# Altium PCB HSBNE-MOTOR.PcbDoc (part 2 of 3) (continued)
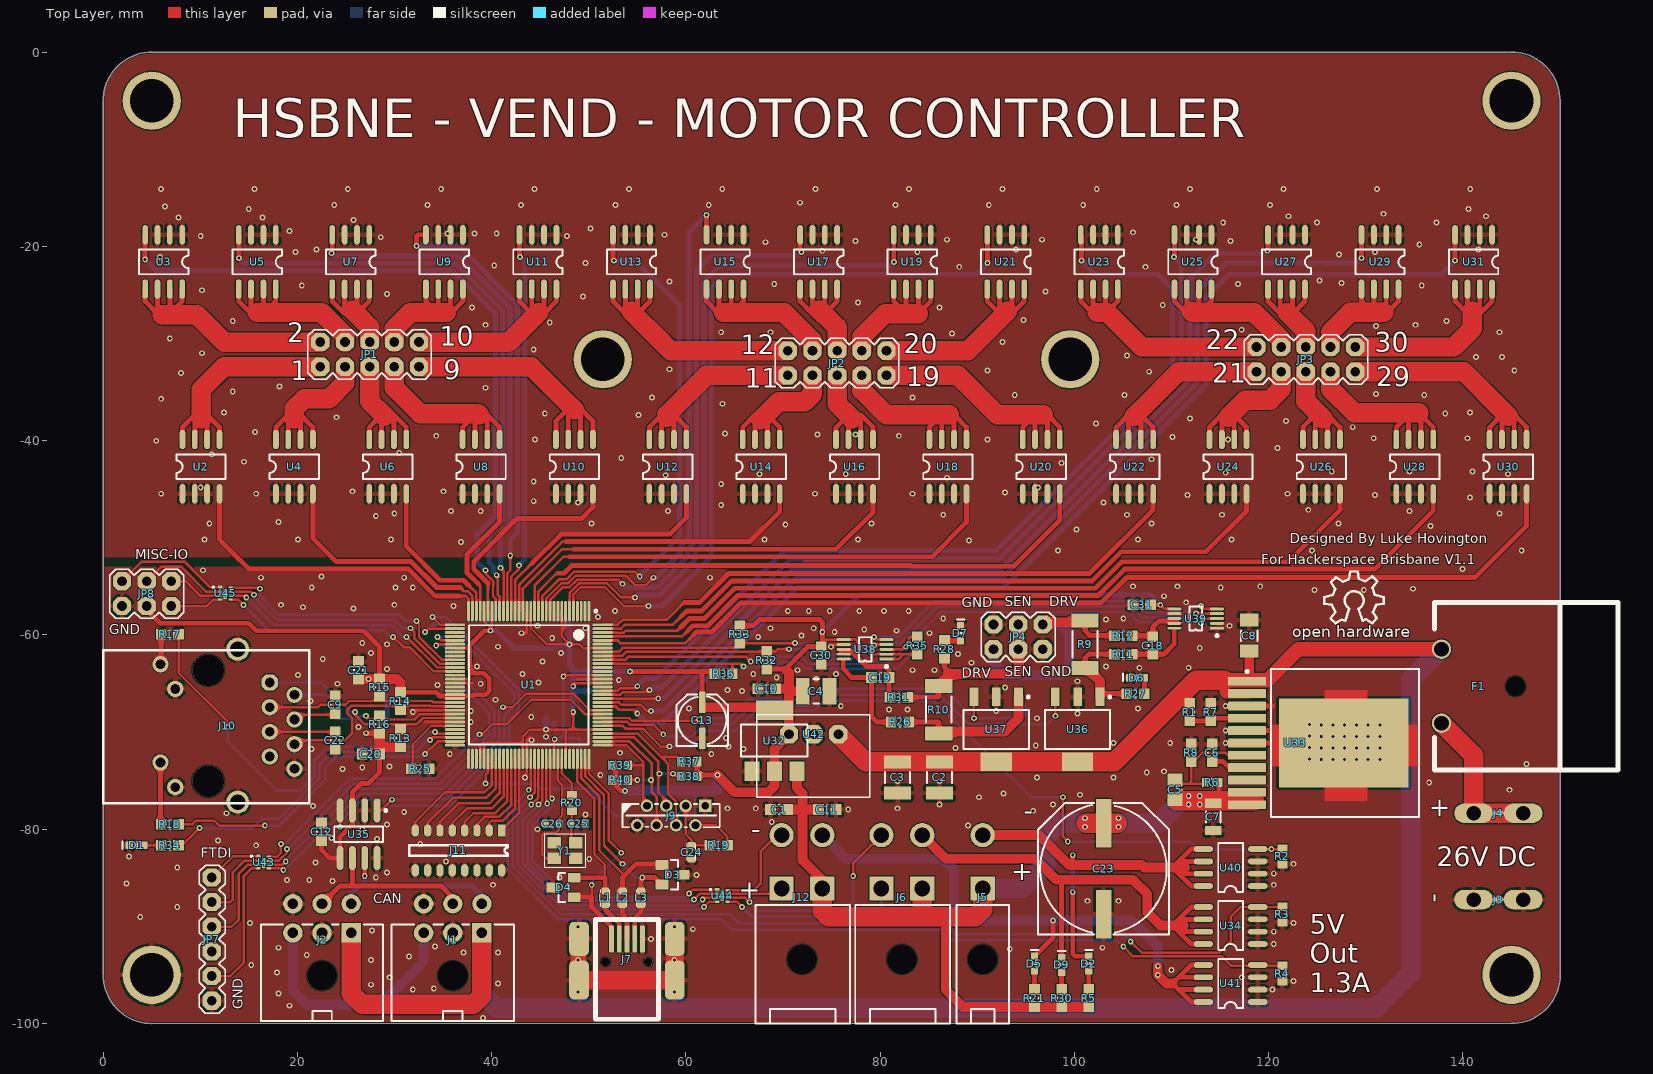
[diagram p0: Top Layer view]
## Nets (pads, with @x,y where several pads share a name; then routed paths per layer and width w, separated by ;. In a path a pad name is that pad's centre, name@x,y a point inside that pad or via, vN(x,y) a via of type N, cw(c..) or ccw(c..) an arc to the next point about the centre after c; other vN are vias at no path point) (continued)
  Bottom Layer w0.5: v1(54.991,-68.072) 55.88,-68.961 57.658,-68.961 71.501,-55.118 92.71,-55.118 113.538,-34.29 113.538,-25.273 115.951,-22.86 124.938,-22.86 124.953,-22.845 125.491,-22.845 125.506,-22.86 137.795,-22.86 v1(139.192,-21.463)
MO1: JP1.1 U2.5 U2.6 U2.7 U2.8 | length 29.3
  Top Layer w0.5: U2.8@8.161,-39.878 8.161,-38.614 9.431,-37.344 ; U2.7@9.431,-39.878 9.431,-37.344 ; U2.6@10.701,-39.878 10.701,-37.332 ; U2.5@11.971,-39.878 11.971,-38.602 10.701,-37.332 ; 9.431,-37.344 10.072,-36.703 10.701,-37.332
  Top Layer w2: 10.16,-37.719 10.072,-37.631 10.072,-36.703 10.072,-34.759 12.446,-32.385 JP1.1@22.352,-32.385
MO2: JP1.2 U3.5 U3.6 U3.7 U3.8 | length 29.3
  Top Layer w0.5: U3.5@4.318,-24.384 4.318,-25.66 5.588,-26.93 ; U3.6@5.588,-24.384 5.588,-26.93 ; 5.903,-27.244 5.588,-26.93 ; 6.725,-27.051 6.858,-26.918 ; U3.7@6.858,-24.384 6.858,-26.918 ; U3.8@8.128,-24.384 8.128,-25.648 6.858,-26.918
  Top Layer w2: 6.096,-27.051 6.725,-27.051 9.652,-27.051 12.446,-29.845 JP1.2@22.352,-29.845
MO3: JP1.3 U4.5 U4.6 U4.7 U4.8 | length 22
  Top Layer w0.5: U4.8@17.774,-39.878 17.774,-38.614 19.044,-37.344 ; U4.7@19.044,-39.878 19.044,-37.344 ; U4.6@20.314,-39.878 20.314,-37.332 ; U4.5@21.584,-39.878 21.584,-38.602 20.314,-37.332 ; 19.044,-37.344 19.685,-36.703 20.314,-37.332
  Top Layer w2: 19.685,-37.719 19.685,-36.703 20.701,-35.687 23.241,-35.687 24.892,-34.036 JP1.3@24.892,-32.385
MO4: JP1.4 U5.5 U5.6 U5.7 U5.8 | length 21.4
  Top Layer w0.5: U5.5@13.952,-24.384 13.952,-25.66 15.222,-26.93 ; 15.222,-26.797 U5.6@15.222,-24.384 ; 16.492,-26.797 U5.7@16.492,-24.384 ; 16.613,-26.797 17.762,-25.648 U5.8@17.762,-24.384
  Top Layer w2: 15.875,-26.797 16.492,-26.797 16.613,-26.797 22.479,-26.797 24.892,-29.21 JP1.4@24.892,-29.845
MO5: JP1.5 U6.5 U6.6 U6.7 U6.8 | length 18.7
  Top Layer w0.5: U6.8@27.388,-39.878 27.388,-38.614 28.658,-37.344 ; U6.7@28.658,-39.878 28.658,-37.344 ; U6.6@29.928,-39.878 29.928,-37.332 ; U6.5@31.198,-39.878 31.198,-38.602 29.928,-37.332 ; 28.658,-37.344 28.746,-37.255 29.298,-36.703 29.928,-37.332
  Top Layer w2: JP1.5@27.432,-32.385 27.432,-35.941 28.746,-37.255 28.956,-37.465
MO6: JP1.6 U7.5 U7.6 U7.7 U7.8 | length 14.9
  Top Layer w0.5: U7.5@23.586,-24.384 23.586,-25.66 24.856,-26.93 ; 24.856,-26.543 U7.6@24.856,-24.384 ; 26.078,-26.967 26.126,-26.918 ; U7.7@26.126,-24.384 26.126,-26.918 ; U7.8@27.396,-24.384 27.396,-25.648 26.126,-26.918
  Top Layer w2: 25.654,-26.543 26.078,-26.967 27.432,-28.321 JP1.6@27.432,-29.845
MO7: JP1.7 U8.5 U8.6 U8.7 U8.8 | length 25.1
  Top Layer w0.5: U8.8@37.001,-39.878 37.001,-38.614 38.271,-37.344 ; U8.7@38.271,-39.878 38.271,-37.344 ; U8.6@39.541,-39.878 39.541,-37.332 ; U8.5@40.811,-39.878 40.811,-38.602 39.541,-37.332 ; 38.271,-37.344 38.404,-37.211 38.912,-36.703 39.541,-37.332
  Top Layer w2: JP1.7@29.972,-32.385 29.972,-34.544 32.639,-37.211 38.404,-37.211 38.608,-37.211 38.735,-37.338
MO8: JP1.8 U9.5 U9.6 U9.7 U9.8 | length 18.5
  Top Layer w0.5: U9.5@33.22,-24.384 33.22,-25.66 34.357,-26.797 ; 34.49,-26.797 U9.6@34.49,-24.384 ; 35.593,-27.084 35.76,-26.918 ; U9.7@35.76,-24.384 35.76,-26.918 ; U9.8@37.03,-24.384 37.03,-25.648 35.76,-26.918
  Top Layer w2: JP1.8@29.972,-29.845 29.972,-28.448 31.623,-26.797 34.357,-26.797 34.49,-26.797 35.306,-26.797
MO9: JP1.9 U10.5 U10.6 U10.7 U10.8 | length 30.9
  Top Layer w0.5: U10.8@46.609,-39.243 46.609,-37.979 47.879,-36.709 ; U10.7@47.879,-39.243 47.879,-36.709 ; U10.6@49.149,-39.243 49.149,-36.697 ; U10.5@50.419,-39.243 50.419,-37.967 49.149,-36.697 ; 47.879,-36.709 48.136,-36.452 48.52,-36.068 49.149,-36.697
  Top Layer w2: JP1.9@32.512,-32.385 44.069,-32.385 48.136,-36.452 48.514,-36.83
MO10: JP1.10 U11.5 U11.6 U11.7 U11.8 | length 25.5
  Top Layer w0.5: U11.5@42.853,-24.384 42.853,-25.66 44.123,-26.93 ; U11.6@44.123,-24.384 44.123,-26.93 ; 44.411,-27.217 44.123,-26.93 ; 45.173,-27.139 45.393,-26.918 ; U11.7@45.393,-24.384 45.393,-26.918 ; U11.8@46.663,-24.384 46.663,-25.648 45.393,-26.918
  Top Layer w2: JP1.10@32.512,-29.845 41.783,-29.845 44.411,-27.217 44.831,-26.797
MO11: JP2.1 U12.5 U12.6 U12.7 U12.8 | length 27.4
  Top Layer w0.5: U12.8@56.228,-39.878 56.228,-38.614 57.498,-37.344 ; U12.7@57.498,-39.878 57.498,-37.344 ; U12.6@58.768,-39.878 58.768,-37.332 ; U12.5@60.038,-39.878 60.038,-38.602 58.768,-37.332 ; 57.498,-37.344 58.138,-36.703 58.406,-36.971 58.768,-37.332
  Top Layer w2: 58.039,-37.592 58.039,-37.338 58.406,-36.971 62.103,-33.274 JP2.1@70.485,-33.274
MO12: JP2.2 U13.5 U13.6 U13.7 U13.8 | length 30.8
  Top Layer w0.5: U13.5@52.487,-24.384 52.487,-25.66 53.757,-26.93 ; U13.6@53.757,-24.384 53.757,-26.93 ; U13.7@55.027,-24.384 55.027,-26.918 ; U13.8@56.297,-24.384 56.297,-25.648 55.027,-26.918 ; 53.757,-26.93 54.387,-27.559 55.027,-26.918
  Top Layer w2: 54.356,-26.67 54.816,-27.13 56.896,-29.21 58.42,-30.734 JP2.2@70.485,-30.734
MO13: JP2.3 U14.5 U14.6 U14.7 U14.8 | length 19.2
  Top Layer w0.5: U14.8@65.841,-39.878 65.841,-38.614 67.111,-37.344 ; U14.7@67.111,-39.878 67.111,-37.846 ; 68.293,-37.244 68.381,-37.332 ; U14.6@68.381,-39.878 68.381,-37.332 ; U14.5@69.651,-39.878 69.651,-38.602 68.381,-37.332
  Top Layer w2: 67.691,-37.846 68.293,-37.244 69.532,-36.005 72.2,-36.005 73.025,-35.179 JP2.3@73.025,-33.274
MO14: JP2.4 U15.5 U15.6 U15.7 U15.8 | length 22.5
  Top Layer w0.5: U15.5@62.121,-24.384 62.121,-25.66 63.391,-26.93 ; U15.6@63.391,-24.384 63.391,-26.93 ; 63.57,-27.108 63.391,-26.93 ; 64.661,-26.797 U15.7@64.661,-24.384 ; 64.782,-26.797 65.931,-25.648 U15.8@65.931,-24.384
  Top Layer w2: 63.881,-26.797 64.661,-26.797 64.782,-26.797 70.104,-26.797 73.025,-29.718 JP2.4@73.025,-30.734
MO15: JP2.5 U16.5 U16.6 U16.7 U16.8 | length 15.9
  Top Layer w0.5: U16.8@75.454,-39.878 75.454,-38.614 76.719,-37.349 ; U16.7@76.724,-39.878 76.724,-37.354 ; U16.6@77.994,-39.878 77.994,-37.719 ; 77.994,-37.332 79.264,-38.602 U16.5@79.264,-39.878
  Top Layer w2: JP2.5@75.565,-33.274 75.565,-36.195 76.719,-37.349 76.724,-37.354 77.089,-37.719
  other v1: 77.47,-39.37
MO16: JP2.6 U17.5 U17.6 U17.7 U17.8 | length 17.3
  Top Layer w0.5: U17.5@71.755,-24.384 71.755,-25.66 73.025,-26.93 ; 73.025,-26.543 U17.6@73.025,-24.384 ; 73.213,-27.117 73.654,-27.559 74.295,-26.918 ; U17.7@74.295,-24.384 74.295,-26.918 ; U17.8@75.565,-24.384 75.565,-25.648 74.295,-26.918
  Top Layer w2: 73.787,-26.543 74.229,-26.985 75.565,-28.321 JP2.6@75.565,-30.734
MO17: JP2.7 U18.5 U18.6 U18.7 U18.8 | length 23.2
  Top Layer w0.5: U18.8@85.068,-39.878 85.068,-38.614 86.338,-37.344 ; U18.7@86.338,-39.878 86.338,-37.344 ; 86.343,-37.338 86.338,-37.344 ; 87.368,-37.092 87.608,-37.332 ; U18.6@87.608,-39.878 87.608,-37.332 ; U18.5@88.878,-39.878 88.878,-38.602 87.608,-37.332
  Top Layer w2: JP2.7@78.105,-33.274 78.105,-34.798 80.645,-37.338 86.343,-37.338 87.122,-37.338
MO18: JP2.8 U19.5 U19.6 U19.7 U19.8 | length 19.4
  Top Layer w0.5: U19.5@81.389,-24.384 81.389,-25.66 82.648,-26.918 ; 82.659,-26.918 U19.6@82.659,-24.384 ; U19.7@83.929,-24.384 83.929,-26.918 85.199,-25.648 U19.8@85.199,-24.384
  Top Layer w2: JP2.8@78.105,-30.734 78.105,-29.337 80.524,-26.918 82.648,-26.918 82.659,-26.918 83.929,-26.918
MO19: JP2.9 U20.5 U20.6 U20.7 U20.8 | length 29.3
  Top Layer w0.5: U20.8@94.681,-39.878 94.681,-38.614 95.951,-37.344 ; U20.7@95.951,-39.878 95.951,-37.344 ; 95.957,-37.338 95.951,-37.344 ; 97,-37.112 97.221,-37.332 ; U20.6@97.221,-39.878 97.221,-37.332 ; U20.5@98.491,-39.878 98.491,-38.602 97.221,-37.332
  Top Layer w2: JP2.9@80.645,-33.274 88.011,-33.274 92.075,-37.338 95.957,-37.338 96.774,-37.338
MO20: JP2.10 U21.5 U21.6 U21.7 U21.8 | length 27.1
  Top Layer w0.5: U21.5@91.023,-24.384 91.023,-25.66 92.293,-26.93 ; U21.6@92.293,-24.384 92.293,-26.93 ; U21.7@93.563,-24.384 93.563,-26.918 ; U21.8@94.833,-24.384 94.833,-25.648 93.563,-26.918 ; 92.293,-26.93 92.562,-27.199 92.922,-27.559 93.563,-26.918
  Top Layer w2: JP2.10@80.645,-30.734 89.027,-30.734 93.091,-26.67
MO21: JP3.1 U22.5 U22.6 U22.7 U22.8 | length 26.4
  Top Layer w0.5: U22.8@104.295,-39.878 104.295,-38.614 105.565,-37.344 ; U22.7@105.565,-39.878 105.565,-37.344 ; 105.808,-37.101 105.565,-37.344 ; 106.57,-37.067 106.835,-37.332 ; U22.6@106.835,-39.878 106.835,-37.332 ; U22.5@108.105,-39.878 108.105,-38.602 106.835,-37.332
  Top Layer w2: 106.172,-37.465 106.57,-37.067 110.744,-32.893 JP3.1@118.745,-32.893
MO22: JP3.2 U23.5 U23.6 U23.7 U23.8 | length 29
  Top Layer w0.5: U23.5@100.657,-24.384 100.657,-25.66 101.927,-26.93 ; U23.6@101.927,-24.384 101.927,-26.93 ; 102.078,-27.081 101.927,-26.93 ; 103.197,-26.797 U23.7@103.197,-24.384 ; 103.318,-26.797 104.467,-25.648 U23.8@104.467,-24.384
  Top Layer w2: 102.362,-26.797 103.197,-26.797 103.318,-26.797 103.378,-26.797 106.934,-30.353 JP3.2@118.745,-30.353
MO23: JP3.3 U24.5 U24.6 U24.7 U24.8 | length 19.7
  Top Layer w0.5: U24.8@113.908,-39.878 113.908,-38.614 115.178,-37.344 ; U24.7@115.178,-39.878 115.178,-37.592 ; 116.266,-37.15 116.448,-37.332 ; U24.6@116.448,-39.878 116.448,-37.332 ; U24.5@117.718,-39.878 117.718,-38.602 116.448,-37.332
  Top Layer w2: 115.824,-37.592 116.266,-37.15 117.602,-35.814 120.142,-35.814 121.285,-34.671 JP3.3@121.285,-32.893
MO24: JP3.4 U25.5 U25.6 U25.7 U25.8 | length 24
  Top Layer w0.5: U25.5@110.29,-24.384 110.29,-25.66 111.56,-26.93 ; U25.6@111.56,-24.384 111.56,-26.93 ; 112.83,-26.797 112.83,-26.918 112.19,-27.559 111.56,-26.93 ; 112.83,-26.67 U25.7@112.83,-24.384 ; 112.952,-26.797 114.1,-25.648 U25.8@114.1,-24.384
  Top Layer w2: 112.014,-26.67 112.141,-26.797 112.83,-26.797 112.952,-26.797 118.491,-26.797 121.285,-29.591 JP3.4@121.285,-30.353
MO25: JP3.5 U26.5 U26.6 U26.7 U26.8 | length 16.4
  Top Layer w0.5: U26.8@123.521,-39.878 123.521,-38.614 124.791,-37.344 U26.7@124.791,-39.878 ; U26.6@126.061,-39.878 126.061,-37.719 ; 126.061,-37.332 127.331,-38.602 U26.5@127.331,-39.878
  Top Layer w2: JP3.5@123.825,-32.893 123.825,-35.941 125.603,-37.719
MO26: JP3.6 U27.5 U27.6 U27.7 U27.8 | length 15.7
  Top Layer w0.5: U27.5@119.924,-24.384 119.924,-25.66 121.194,-26.93 ; 121.194,-26.797 U27.6@121.194,-24.384 ; 122.253,-27.13 122.464,-26.918 ; U27.7@122.464,-24.384 122.464,-26.918 ; U27.8@123.734,-24.384 123.734,-25.648 122.464,-26.918
  Top Layer w2: 121.92,-26.797 122.253,-27.13 123.825,-28.702 JP3.6@123.825,-30.353
MO27: JP3.7 U28.5 U28.6 U28.7 U28.8 | length 23.7
  Top Layer w0.5: U28.8@133.135,-39.878 133.135,-38.614 134.405,-37.344 ; U28.7@134.405,-39.878 134.405,-37.344 ; 134.623,-37.125 134.405,-37.344 ; 135.468,-37.125 135.675,-37.332 ; U28.6@135.675,-39.878 135.675,-37.332 ; U28.5@136.945,-39.878 136.945,-38.602 135.675,-37.332
  Top Layer w2: JP3.7@126.365,-32.893 126.365,-34.671 128.819,-37.125 134.623,-37.125 135.468,-37.125
MO28: JP3.8 U29.5 U29.6 U29.7 U29.8 | length 19.9
  Top Layer w0.5: U29.5@129.558,-24.384 129.558,-25.66 130.692,-26.794 ; 130.828,-26.794 U29.6@130.828,-24.384 ; 131.261,-27.362 131.457,-27.559 132.098,-26.918 ; U29.7@132.098,-24.384 132.098,-26.918 ; U29.8@133.368,-24.384 133.368,-25.648 132.098,-26.918
  Top Layer w2: JP3.8@126.365,-30.353 126.365,-28.829 128.4,-26.794 130.692,-26.794 130.828,-26.794 131.644,-26.794 131.647,-26.797 131.826,-26.797
MO29: JP3.9 U30.5 U30.6 U30.7 U30.8 | length 29.1
  Top Layer w0.5: U30.8@142.748,-39.878 142.748,-38.614 144.018,-37.344 ; U30.7@144.018,-39.878 144.018,-37.344 ; 144.275,-37.087 144.018,-37.344 ; U30.6@145.288,-39.878 145.288,-37.465 ; 145.288,-37.332 146.558,-38.602 U30.5@146.558,-39.878
  Top Layer w2: JP3.9@128.905,-32.893 140.081,-32.893 144.275,-37.087 144.653,-37.465
MO30: JP3.10 U31.5 U31.6 U31.7 U31.8 | length 25.6
  Top Layer w0.5: U31.5@139.192,-24.384 139.192,-25.66 140.462,-26.93 U31.6@140.462,-24.384 ; 141.732,-26.918 143.002,-25.648 U31.8@143.002,-24.384 ; 141.732,-26.67 U31.7@141.732,-24.384
  Top Layer w2: JP3.10@128.905,-30.353 139.065,-30.353 140.97,-28.448 140.97,-26.67
NetC5_1: C5.1 R6.2 R8.2 U33.7 | length 11.4
  Top Layer w0.254: C5.1@110.363,-75.327 R6.2@113.13,-75.327 ; 112.014,-75.327 R8.2@112.014,-73.036 112.257,-73.036 113.157,-72.136 115.57,-72.136 115.824,-72.39 U33.7@117.876,-72.39
NetC6_2: C6.2 U33.8 | length 4
  Top Layer w0.5: C6.2@114.173,-73.036 115.327,-73.036 115.951,-73.66 U33.8@117.876,-73.66
NetC9_1: C9.1 J10.4 | length 4.4
  Top Layer w0.254: J10.4@19.685,-68.707 20.193,-68.199 23.76,-68.199 C9.1@23.876,-68.083
NetC22_1: C22.1 J10.5 | length 6.7
  Top Layer w0.254: J10.5@17.145,-69.977 23.865,-69.977 C22.1@23.876,-69.966
NetC25_2: C25.2 R20.2 Y1.1 | length 3.6
  Top Layer w0.254: R20.2@48.26,-77.992 48.26,-79.386 C25.2@48.195,-79.451 48.195,-80.961 Y1.1@48.641,-81.407
NetC26_2: C26.2 U1.88 Y1.3 | length 13
  Top Layer w0.254: Y1.3@46.441,-83.007 45.593,-83.007 45.212,-82.626 45.212,-80.594 45.466,-80.34 46.609,-80.34 46.928,-80.021 C26.2@46.928,-79.451 46.928,-78.929 47.244,-78.613 47.244,-75.438 46.815,-75.009 U1.88@46.815,-72.751
NetD1_1: D1.1 R34.1 | length 2
  Top Layer w0.254: D1.1@4.191,-81.661 R34.1@6.212,-81.661
NetD2_1: D2.1 R5.1 | length 1.9
  Top Layer w0.5: R5.1@101.473,-96.498 D2.1@101.473,-94.604
NetD5_1: D5.1 R21.1 | length 1.9
  Top Layer w0.5: R21.1@95.885,-96.498 D5.1@95.885,-94.604
NetD6_1: D6.1 R27.1 | length 1.7
  Top Layer w0.5: D6.1@107.061,-64.389 107.199,-64.527 107.199,-65.394 R27.1@107.199,-66.04
NetD7_1: D7.1 R28.1 | length 1.6
  Top Layer w0.5: R28.1@86.625,-60.579 D7.1@88.265,-60.579
NetD9_1: D9.1 R30.1 | length 1.8
  Top Layer w0.5: R30.1@98.679,-96.498 D9.1@98.679,-94.731
NetJ7_2: J7.2 L1.2 | length 4.1
  Top Layer w0.5: L1.2@51.689,-87.76 51.689,-88.265 53.124,-89.7 J7.2@53.124,-91.313
NetJ7_3: J7.3 L2.2 | length 3.7
  Top Layer w0.5: L2.2@53.467,-87.76 53.467,-88.773 53.924,-89.23 J7.3@53.924,-91.313
NetJ7_4: J7.4 L3.2 | length 3.8
  Top Layer w0.5: J7.4@54.724,-91.313 54.724,-89.167 55.372,-88.519 L3.2@55.372,-87.76
NetJ11_1: J11.1 U1.78 | length 8.1
  Top Layer w0.254: J11.1@41.021,-80.137 42.815,-78.343 U1.78@42.815,-72.751
NetJ11_2: J11.2 U1.77 | length 9.2
  Top Layer w0.254: J11.2@39.751,-80.137 39.751,-79.375 40.005,-79.121 41.148,-79.121 42.415,-77.854 U1.77@42.415,-72.751
NetJ11_3: J11.3 U1.76 | length 9.7
  Top Layer w0.254: J11.3@38.481,-80.137 38.481,-79.502 39.243,-78.74 40.767,-78.74 42.015,-77.492 U1.76@42.015,-72.751
NetJ11_4: J11.4 U1.75 | length 10.5
  Top Layer w0.254: J11.4@37.211,-80.137 37.211,-79.248 38.1,-78.359 40.34,-78.359 41.615,-77.084 U1.75@41.615,-72.751
NetJ11_5: J11.5 U1.74 | length 11.1
  Top Layer w0.254: J11.5@35.941,-80.137 35.941,-79.375 37.465,-77.851 40.005,-77.851 41.215,-76.641 U1.74@41.215,-72.751
NetJ11_6: J11.6 U1.73 | length 11.8
  Top Layer w0.254: J11.6@34.671,-80.137 34.671,-79.248 36.576,-77.343 39.751,-77.343 40.815,-76.279 U1.73@40.815,-72.751
NetJ11_7: J11.7 U1.72 | length 12.3
  Top Layer w0.254: J11.7@33.401,-80.137 33.401,-79.375 35.994,-76.782 39.423,-76.782 40.415,-75.79 U1.72@40.415,-72.751
NetJ11_8: J11.8 U1.71 | length 13
  Top Layer w0.254: J11.8@32.131,-80.137 32.131,-79.248 35.179,-76.2 39.253,-76.2 40.015,-75.438 U1.71@40.015,-72.751
NetR1_1: R1.1 R7.2 U33.4 | length 6
  Top Layer w0.5: R1.1@111.887,-68.845 R7.2@114.046,-68.845 ; R7.2@114.046,-68.58 U33.4@117.876,-68.58
NetR20_1: R20.1 U1.89 | length 4.2
  Top Layer w0.254: U1.89@47.215,-72.751 47.215,-74.266 48.26,-75.311 R20.1@48.26,-76.492
NetR25_2: R25.2 U1.59 | length 7.7
  Top Layer w0.254: R25.2@31.866,-73.787 31.866,-71.258 33.773,-69.351 U1.59@36.215,-69.351
PWR_OUT: R9.1 R11.1 R27.2 U36.1 | length 10.4
  Top Layer w0.5: R9.1@101.292,-63.41 R9.1@101.092,-63.41 101.092,-62.357 101.473,-61.976 R11.1@104.129,-61.976 ; U36.1@102.963,-66.04 R27.2@105.399,-66.04
  Top Layer w1: R9.1@101.292,-63.41 102.63,-64.748 U36.1@102.63,-66.373
R\S\T\: C24.2 J9.3 R19.1 U1.70 | length 31.3
  Top Layer w0.254: v1(39.37,-75.311) 39.37,-74.422 39.615,-74.177 U1.70@39.615,-72.751 ; J9.3@59.976,-77.597 59.976,-80.518 60.579,-81.121 C24.2@60.579,-81.658 60.582,-81.661 R19.1@62.473,-81.661
  Bottom Layer w0.254: v1(39.37,-75.311) 44.45,-75.311 44.958,-75.819 49.911,-75.819 52.705,-78.613 58.96,-78.613 J9.3@59.976,-77.597
RX_N: J10.6 R14.1 U1.54 | length 20.3
  Top Layer w0.254: J10.6@19.685,-71.247 20.066,-70.866 24.892,-70.866 25.654,-70.104 25.654,-68.58 25.146,-68.072 25.146,-67.691 25.527,-67.31 33.655,-67.31 33.696,-67.351 U1.54@36.215,-67.351
RX_P: J10.3 R15.1 U1.53 | length 19.4
  Top Layer w0.254: J10.3@17.145,-67.437 22.098,-67.437 22.352,-67.183 24.936,-67.183 25.317,-66.802 33.865,-66.802 34.014,-66.951 U1.53@36.215,-66.951
SEN_OUT: R10.1 R26.1 U37.1 | length 15.2
  Top Layer w0.5: R26.1@82.942,-68.961 85.979,-68.961 86.028,-69.01 86.028,-69.941 R10.1@86.028,-70.141
  Top Layer w1: R10.1@86.028,-69.941 92.873,-69.941 94.248,-68.566 U37.1@94.248,-66.373
SOL_EN: R2.2 U1.102 U40.4 | length 83
  Top Layer w0.254: U1.102@51.415,-69.351 53.476,-69.351 53.77,-69.645 55.548,-69.645 55.634,-69.731 ; 55.548,-69.649 56.384,-70.485 56.388,-70.485 57.404,-71.501 v1(58.293,-71.501) ; v1(98.806,-76.708) 98.806,-80.772 v1(99.314,-81.28) ; U40.4@118.872,-82.042 v1(120.269,-82.042) R2.2@121.374,-82.042
  Bottom Layer w0.254: v1(58.293,-71.501) 60.452,-71.501 62.103,-69.85 65.151,-69.85 67.183,-67.818 73.152,-67.818 74.187,-66.783 85.579,-66.783 95.504,-76.708 v1(98.806,-76.708) ; v1(99.314,-81.28) 111.887,-81.28 112.649,-82.042 v1(120.269,-82.042)
SOL_GND: D2.2 J5.2 U40.5 U40.6 U40.7 U40.8 | length 47.8
  Top Layer w0.5: v1(99.822,-86.487) 99.822,-92.837 100.065,-93.08 D2.2@101.473,-93.08 ; 99.822,-83.312 v1(99.822,-82.677) ; U40.8@113.284,-85.852 112.02,-85.852 110.75,-84.582 ; U40.7@113.284,-84.582 110.75,-84.582 ; U40.6@113.284,-83.312 110.738,-83.312 ; U40.5@113.284,-82.042 112.008,-82.042 110.738,-83.312 ; 110.738,-83.312 110.109,-83.941 110.115,-83.947 110.75,-84.582
  Top Layer w1: J5.2@90.551,-80.606 96.354,-80.606 99.441,-83.693 106.934,-83.693 107.188,-83.947 110.115,-83.947 111.379,-83.947
  Bottom Layer w0.5: v1(99.822,-86.487) v1(99.822,-82.677)
TCK: J9.4 R37.1 U1.100 | length 16.8
  Top Layer w0.254: U1.100@51.415,-70.151 54.676,-70.151 ; 54.676,-70.147 55.034,-70.147 57.658,-72.771 ; J9.4@58.976,-79.597 58.976,-77.137 58.166,-76.327 58.166,-73.279 57.658,-72.771 ; R37.1@59.398,-72.898 59.398,-72.733 59.182,-72.517 57.912,-72.517 57.658,-72.771
TDCLK: JP8.2 U45.4 | length 5.3
  Top Layer w0.254: JP8.2@7.015,-57.023 10.668,-57.023 11.338,-56.353 U45.4@12.048,-56.353
TDI: J9.6 R40.2 U1.98 | length 14.9
  Top Layer w0.254: U1.98@51.415,-70.951 54.187,-70.951 56.492,-73.256 56.492,-76.177 56.976,-76.661 J9.6@56.976,-79.597 ; R40.2@54.013,-74.93 v1(54.991,-74.93)
  Bottom Layer w0.254: v1(54.991,-74.93) v1(56.388,-74.93)
TDO: J9.7 R39.2 U1.97 | length 11.6
  Top Layer w0.254: U1.97@51.415,-71.351 53.698,-71.351 53.702,-71.355 ; 53.34,-71.355 53.702,-71.355 ; R39.2@54.013,-73.406 55.626,-73.406 ; J9.7@55.976,-77.597 55.626,-77.247 55.626,-73.406 ; 53.702,-71.355 53.877,-71.355 55.626,-73.104 55.626,-73.406
TDR0: JP8.1 U45.3 | length 5.6
  Top Layer w0.254: JP8.1@7.015,-54.483 8.513,-54.483 9.983,-55.953 U45.3@12.048,-55.953
TDR1: JP8.3 U45.2 | length 9.3
  Top Layer w0.254: JP8.3@4.475,-54.483 5.999,-52.959 8.001,-52.959 10.595,-55.553 U45.2@12.048,-55.553
TDR2: JP8.5 U45.1 | length 12.1
  Top Layer w0.254: JP8.5@1.935,-54.483 3.967,-52.451 8.382,-52.451 11.034,-55.103 U45.1@12.048,-55.103
TMS: J9.5 R38.1 U1.99 | length 14
  Top Layer w0.254: U1.99@51.415,-70.551 54.676,-70.551 57.15,-73.025 57.15,-76.2 57.976,-77.026 J9.5@57.976,-77.597 ; v1(58.674,-74.295) 58.928,-74.549 R38.1@59.525,-74.549
  Bottom Layer w0.254: v1(57.277,-74.295) v1(58.674,-74.295)
TRCLK: U1.45 U45.5 | length 26.2
  Top Layer w0.254: U45.5@13.098,-56.353 13.896,-56.353 v1(14.459,-56.915) ; v1(29.845,-60.197) 30.907,-61.26 31.542,-61.26 34.033,-63.751 U1.45@36.215,-63.751
  Bottom Layer w0.254: v1(14.459,-56.915) 17.075,-59.532 28.935,-59.532 29.6,-60.197 v1(29.845,-60.197)
TRD0: U1.44 U45.6 | length 26.2
  Top Layer w0.254: U45.6@13.098,-55.953 14.551,-55.953 v1(14.732,-56.134) ; v1(31.242,-60.198) 34.395,-63.351 U1.44@36.215,-63.351
  Bottom Layer w0.254: v1(14.732,-56.134) 17.591,-58.993 29.656,-58.993 30.861,-60.198 v1(31.242,-60.198)
TRD1: U1.43 U45.7 | length 26.7
  Top Layer w0.254: U45.7@13.098,-55.553 15.206,-55.553 v1(15.513,-55.861) ; v1(31.623,-59.309) 32.004,-59.69 32.004,-60.325 34.63,-62.951 U1.43@36.215,-62.951
  Bottom Layer w0.254: v1(15.513,-55.861) 15.513,-56.105 17.863,-58.455 29.968,-58.455 30.822,-59.309 v1(31.623,-59.309)
TRD2: U1.42 U45.8 | length 27.4
  Top Layer w0.254: U45.8@13.098,-55.153 16.037,-55.153 v1(16.129,-55.245) ; v1(32.258,-58.547) 32.512,-58.801 32.512,-60.198 34.865,-62.551 U1.42@36.215,-62.551
  Bottom Layer w0.254: v1(16.129,-55.245) 16.129,-56.007 18.038,-57.916 30.484,-57.916 31.115,-58.547 v1(32.258,-58.547)
TRD3: U1.46
TX_N: J10.2 R16.1 U1.56 | length 19.2
  Top Layer w0.254: v1@27.007,-68.326 v1(27.051,-68.326) 27.051,-68.37 27.388,-68.707 32.048,-68.707 32.604,-68.151 U1.56@36.215,-68.151
  Bottom Layer w0.254: J10.2@19.685,-66.167 22.987,-66.167 23.749,-66.929 23.749,-67.437 23.495,-67.691 23.495,-68.199 23.922,-68.626 26.19,-68.626 26.49,-68.326 v1(27.051,-68.326)
TX_P: J10.1 R13.1 U1.57 | length 21.5
  Top Layer w0.254: J10.1@17.145,-64.897 J10.1@17.294,-64.748 ; v1(25.908,-67.945) 25.908,-68.199 26.924,-69.215 32.258,-69.215 32.922,-68.551 U1.57@36.215,-68.551
  Bottom Layer w0.254: J10.1@17.145,-64.897 22.435,-64.897 23.346,-65.808 24.108,-66.57 25.483,-67.945 v1(25.908,-67.945)
U3CTS: U1.106 U43.5 | length 44.5
  Top Layer w0.254: U43.5@17.035,-84.039 18.507,-84.039 18.542,-84.074 v1(18.542,-84.201) ; v1(41.148,-67.437) 42.164,-67.437 43.561,-66.04 48.387,-66.04 50.098,-67.751 U1.106@51.415,-67.751
  Bottom Layer w0.254: v1(18.542,-84.201) 18.669,-84.201 26.543,-76.327 35.306,-76.327 40.767,-70.866 40.767,-67.818 v1(41.148,-67.437)
U3RTS: U1.105 U43.8 | length 42.2
  Top Layer w0.254: U43.8@17.035,-82.839 17.872,-82.839 18.288,-82.423 v1(18.288,-81.534) ; v1(38.735,-70.231) 38.989,-70.231 40.005,-69.215 41.529,-69.215 44.069,-66.675 48.133,-66.675 49.609,-68.151 U1.105@51.415,-68.151
  Bottom Layer w0.254: v1(18.288,-81.534) 18.669,-81.534 25.4,-74.803 34.163,-74.803 v1(38.735,-70.231)
U3RX: U1.37 U43.6 | length 43.9
  Top Layer w0.254: U43.6@17.035,-83.639 18.469,-83.639 v1(18.796,-83.312) ; v1(34.417,-60.198) 34.77,-60.551 U1.37@36.215,-60.551
  Bottom Layer w0.254: v1(18.796,-83.312) 18.796,-83.185 26.162,-75.819 34.925,-75.819 40.259,-70.485 40.259,-67.691 35.941,-63.373 35.941,-60.833 35.306,-60.198 v1(34.417,-60.198)
U3TX: U1.38 U43.7 | length 42.3
  Top Layer w0.254: U43.7@17.035,-83.239 18.107,-83.239 18.923,-82.423 v1(18.923,-82.042) ; v1(34.29,-61.087) 34.29,-61.205 34.544,-60.951 U1.38@36.215,-60.951
  Bottom Layer w0.254: v1(18.923,-82.042) 19.05,-82.042 25.781,-75.311 34.671,-75.311 39.751,-70.231 39.751,-68.072 35.306,-63.627 35.306,-61.468 34.925,-61.087 v1(34.29,-61.087)
USB_ID: D3.2 L3.1 U1.95 | length 18.8
  Top Layer w0.254: U1.95@49.615,-72.751 49.638,-72.774 49.638,-74.549 51.562,-76.473 51.562,-81.661 v1(53.467,-83.566)
  Top Layer w0.5: L3.1@55.372,-86.36 55.372,-85.09 v1(55.499,-84.963) 56.801,-84.963 D3.2@57.531,-85.693
  Bottom Layer w0.254: v1(53.467,-83.566) 54.864,-84.963 v1(55.499,-84.963)
USB_N: D4.2 L1.1 U1.93 | length 17.9
  Top Layer w0.254: 48.799,-74.295 48.799,-75.088 50.546,-76.835 50.546,-82.55 51.657,-83.661 51.657,-84.995 ; 48.815,-74.295 U1.93@48.815,-72.751
  Top Layer w0.5: D4.2@48.514,-84.995 51.657,-84.995 51.689,-85.027 L1.1@51.689,-86.36
USB_P: D3.1 L2.1 U1.94 | length 20
  Top Layer w0.254: U1.94@49.215,-72.751 49.203,-72.763 49.203,-74.73 51.054,-76.581 51.054,-82.169 53.657,-84.772
  Top Layer w0.5: L2.1@53.467,-86.36 53.467,-84.963 53.657,-84.772 54.864,-83.566 57.404,-83.566 D3.1@57.531,-83.693
USB_VBUS: D4.1 J7.1 U1.96 | length 23.8
  Top Layer w0.254: U1.96@50.015,-72.751 50.015,-74.295 52.07,-76.35 52.07,-81.153 v1(53.34,-82.423) ; 50.292,-86.995 v1(50.292,-85.725)
  Top Layer w0.5: D4.1@48.514,-86.995 50.292,-86.995 50.292,-88.011 52.324,-90.043 J7.1@52.324,-91.313
  Bottom Layer w0.254: v1(50.292,-85.725) 50.292,-85.471 v1(53.34,-82.423)
VDDC: C28.2 C29.2 U1.87 U1.115 | length 17.1
  Top Layer w0.254: U1.87@46.415,-72.751 46.415,-70.806 v1(46.482,-70.739) ; v1(47.371,-64.262) 47.497,-64.136 50.572,-64.136 50.584,-64.147 U1.115@51.415,-64.147
  Bottom Layer w0.254: v1(46.482,-70.739) 46.609,-70.612 47.371,-70.612 ; v1(47.371,-64.262) 47.371,-70.612 ; C28.2@49.011,-72.644 C29.2@49.011,-70.612 47.371,-70.612
pads on no net: F1.0 J1.7 J2.7 J5.A J6.A J7.X J7.Y J10. J10.7 J12.A JP7.4 U1.1 U1.2 U1.3 U1.4 U1.9 U1.35 U1.36 U1.40 U1.41 U1.49 U1.50 U1.60 U1.65 U1.66 U1.67 U1.91 U1.92 U1.112 U1.116 U1.117 U1.123 U33.9 Y1.2 Y1.4

## Polygon pours and split planes (outlines as drawn)
GND on Bottom Layer "Keep-Out Layer-No Net" (solid, remove dead copper, pour order 25): 0,0 149.987,0 149.987,-100.076 149.911,-100 0,-100
3V3 on Bottom Layer "Keep-Out Layer-No Net" (solid, remove dead copper, pour order 23): 70.739,-69.723 70.739,-76.581 66.421,-76.581 58.801,-76.581 58.801,-75.692 60.706,-73.787 61.468,-73.025 65.532,-73.025 68.834,-69.723
GND on Top Layer "Keep-Out Layer-No Net" (solid, remove dead copper, pour order 21): 0,0 0,-99.949 149.987,-99.949 149.987,0

## Keep-outs
Keep-Out Layer:
  lines w0.1: -0.013,-5.004 cw(c4.987,-5.004) 4.987,-0.004 ; 0,-95 0,-5 ; 0.004,-95.013 ccw(c5.004,-95.013) 5.004,-100.013 ; 5,-100 145,-100 ; 5,0 145,0 ; 144.996,0.013 cw(c144.996,-4.987) 149.996,-4.987 ; 145.013,-99.996 ccw(c145.013,-94.996) 150.013,-94.996 ; 150,-95 150,-5

## Other copper
Top Layer:
  rectangle net GND: 120.269,-73.533 135.636,-69.215
  rectangle net GND: 125.73,-77.089 130.175,-65.659
  rectangle net GND: 57.912,-94.996 59.817,-91.567
  rectangle net GND: 48.133,-95.377 49.784,-91.059
  rectangle net GND: 49.276,-96.52 58.547,-94.615
  region net GND: 122.555,-69.088 122.555,-73.279 132.588,-73.279 132.588,-69.088
  region net GND: 125.095,-67.056 125.095,-75.438 130.302,-75.438 130.302,-67.056
  pour cut-out: -3,-52 72,-52 72,-53 -3,-53
Bottom Layer:
  pour cut-out: -3,-52 72,-52 72,-53 -3,-53